# KiCad board IMXDesign.kicad_pcb (continued)
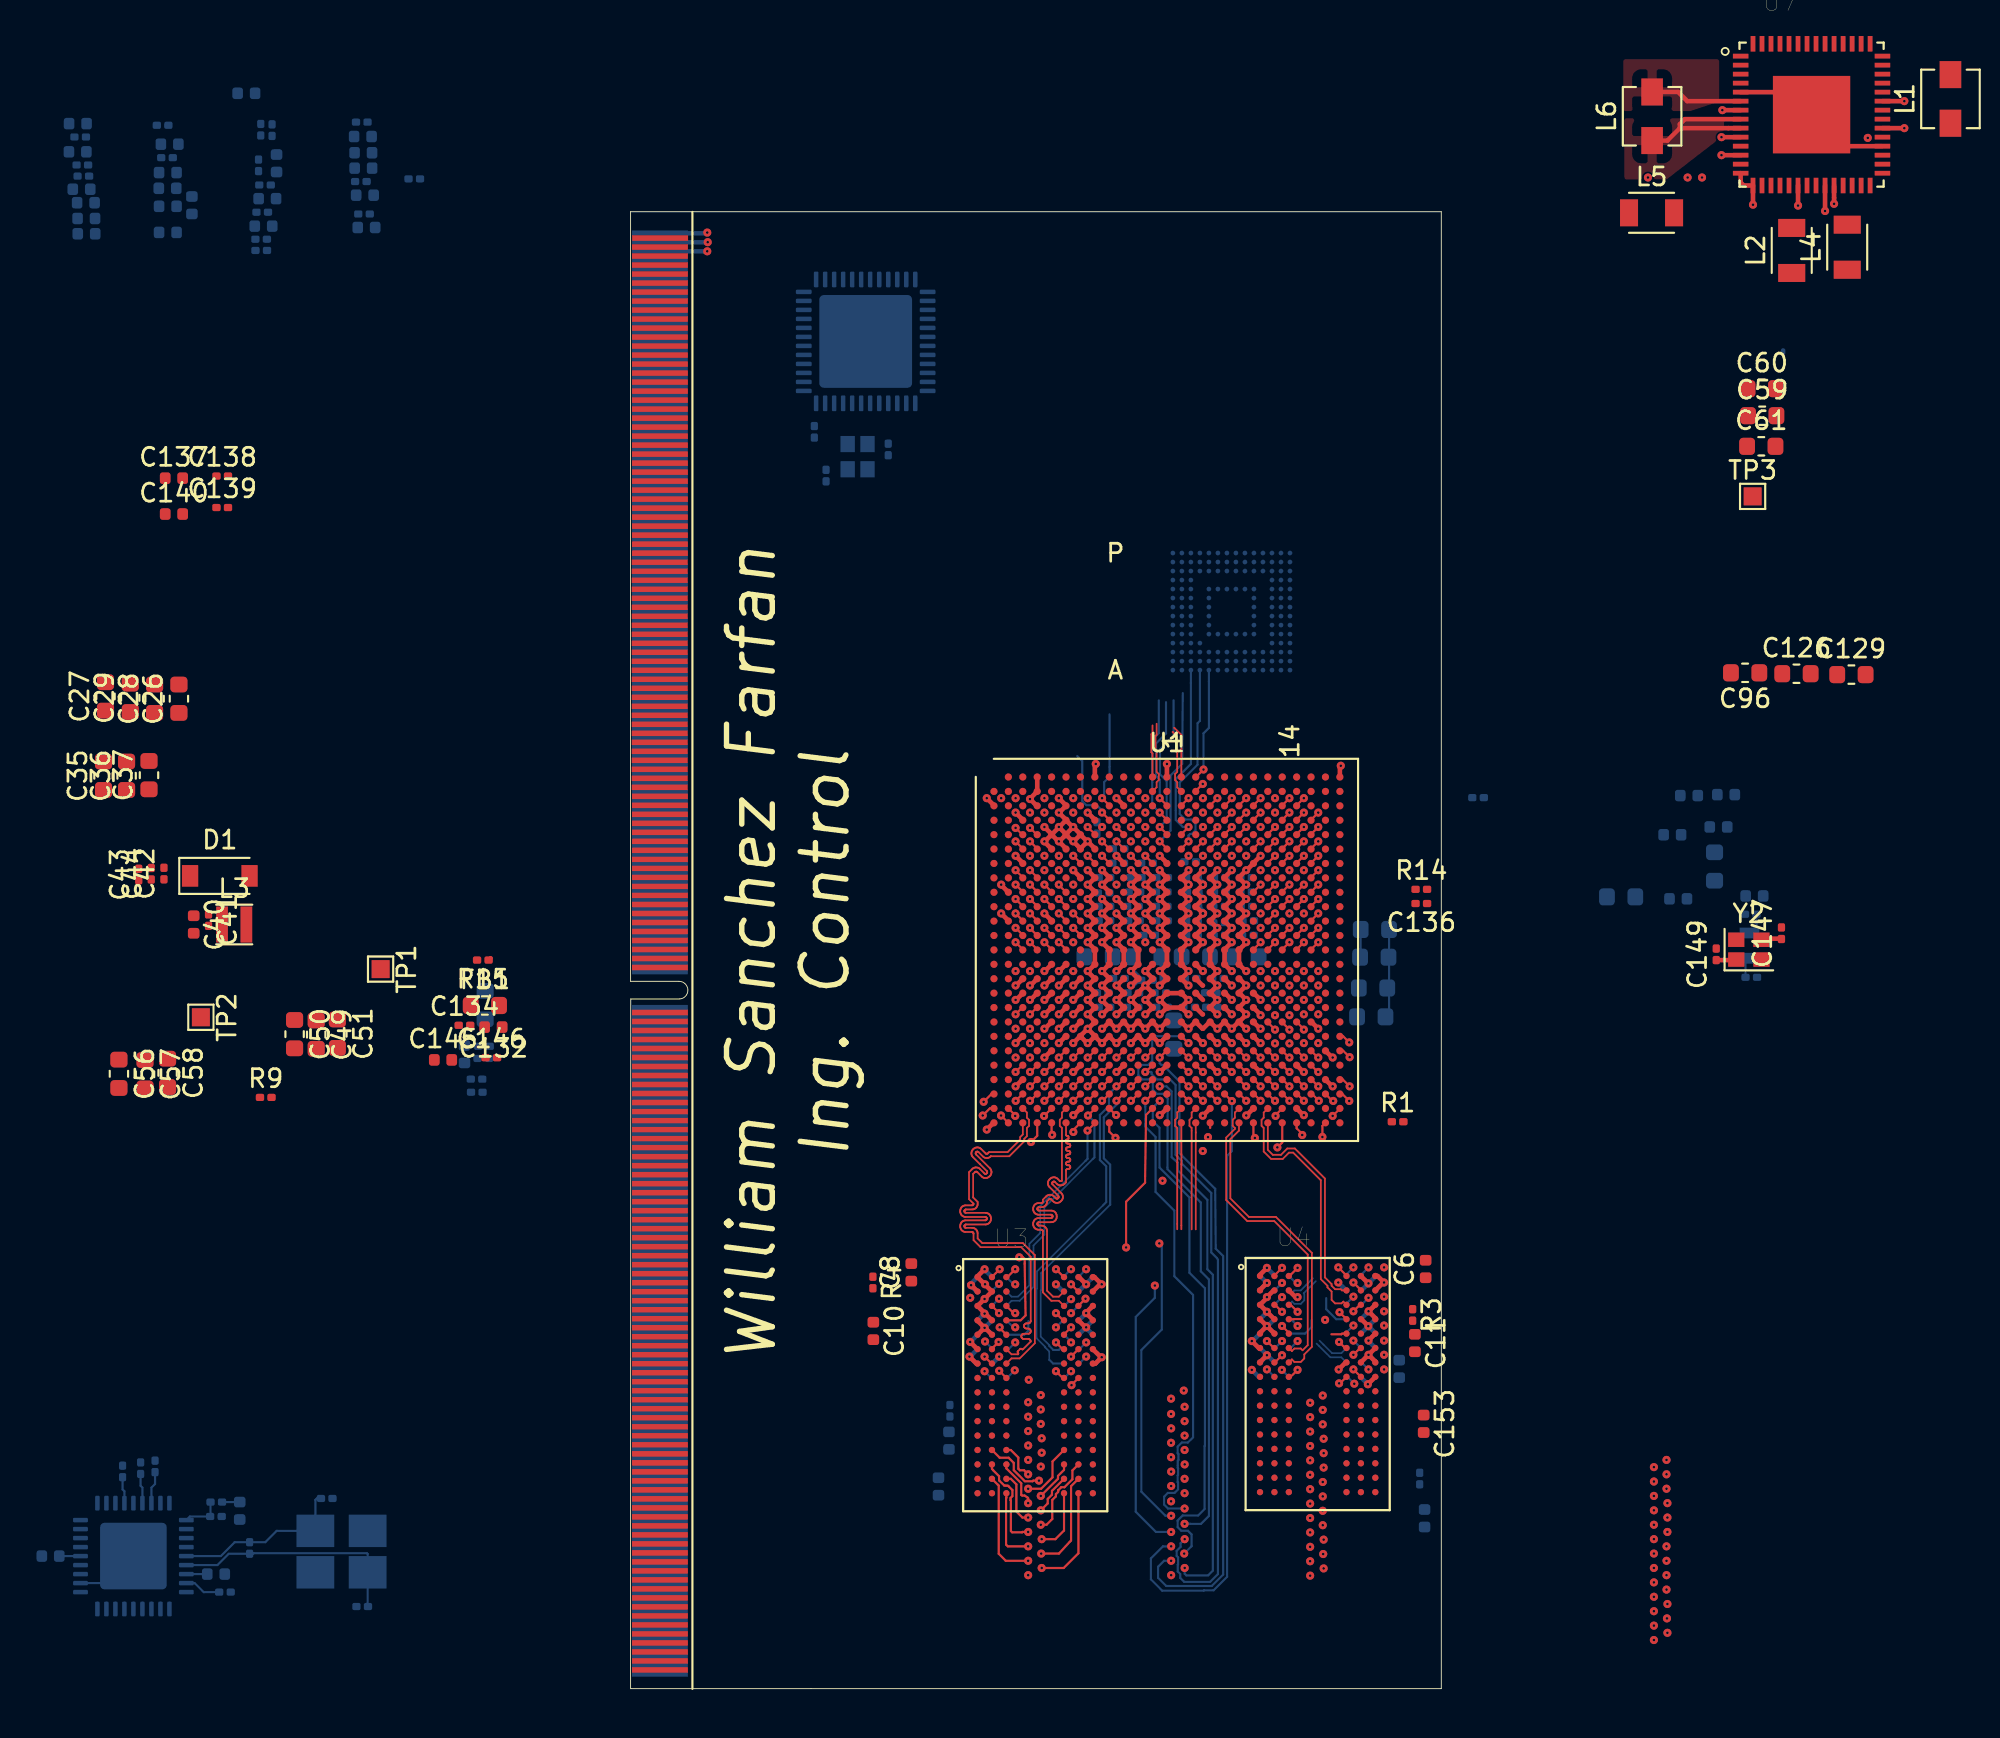
[diagram p0: board, top side]
## Routing (per net, layer and track width the routed paths; a pad name or vN(x,y) marks a point on that pad's centre or on a via; arc(x,y) is an arc through that point) (continued)
/DDR3_Memory/CPU_DDR3/DRAM_D2: length 26.1
  Top w0.114: U3.F2 20.06,18.84
  Top w0.119: v1(20.42,19.25) 20.06,18.88 U3.F2 20.02,18.85 ; v1(22.17,32.64) 22.19,32.64 U1.AC4
  In1.Cu w0.119: v1(20.42,19.25) 20.2,19.47 20.19,19.47 20.03,19.63 19.48,19.63 19.03,20.09 19.02,20.1 19.01,20.12 19.01,20.13 19.01,20.15 19.01,20.17 19.02,20.18 19.04,20.21 19.04,20.22 19.05,20.24 19.05,20.26 19.04,20.27 19.04,20.29 19.03,20.3 18.96,20.36 18.95,20.37 18.94,20.38 18.92,20.38 18.9,20.38 18.89,20.38 18.87,20.37 18.84,20.35 18.83,20.34 18.81,20.34 18.8,20.34 18.78,20.34 18.76,20.35 18.75,20.36 18.69,20.43 18.68,20.44 18.67,20.45 18.67,20.47 18.67,20.49 18.67,20.5 18.68,20.52 18.7,20.54 18.71,20.56 18.71,20.58 18.71,20.59 18.71,20.61 18.7,20.62 18.69,20.64 18.63,20.7 18.61,20.71 18.6,20.72 18.58,20.72 18.56,20.72 18.55,20.72 18.53,20.71 18.51,20.69 18.49,20.68 18.48,20.68 18.46,20.68 18.44,20.68 18.43,20.69 18.41,20.7 18.35,20.76 18.34,20.78 18.33,20.79 18.33,20.81 18.33,20.82 18.33,20.84 18.34,20.86 18.36,20.88 18.37,20.9 18.37,20.91 18.37,20.93 18.37,20.95 18.36,20.96 18.35,20.97 18.29,21.04 18.28,21.05 18.26,21.06 18.24,21.06 18.23,21.06 18.21,21.06 18.2,21.05 18.17,21.03 18.15,21.02 18.14,21.02 18.12,21.02 18.1,21.02 18.09,21.03 18.08,21.04 18.08,23.64 18.59,24.15 18.6,24.16 18.61,24.18 18.61,24.19 18.61,24.21 18.61,24.23 18.6,24.24 18.58,24.27 18.57,24.28 18.57,24.3 18.57,24.32 18.57,24.33 18.58,24.35 18.59,24.36 18.65,24.42 18.66,24.43 18.68,24.44 18.69,24.44 18.71,24.44 18.73,24.44 18.74,24.43 18.77,24.41 18.78,24.4 18.8,24.4 18.82,24.4 18.83,24.4 18.85,24.41 18.86,24.42 18.93,24.49 18.94,24.5 18.94,24.51 18.95,24.53 18.95,24.55 18.94,24.56 18.94,24.58 18.91,24.6 18.91,24.62 18.9,24.64 18.9,24.65 18.91,24.67 18.91,24.68 18.93,24.7 18.99,24.76 19,24.77 19.02,24.78 19.03,24.78 19.05,24.78 19.07,24.78 19.08,24.77 19.11,24.75 19.12,24.74 19.14,24.74 19.16,24.74 19.17,24.74 19.19,24.75 19.2,24.76 19.2,25.16 19.2,25.18 19.19,25.19 19.18,25.21 19.17,25.22 19.16,25.23 19.14,25.23 19.11,25.24 19.09,25.24 19.08,25.25 19.07,25.26 19.06,25.28 19.05,25.29 19.05,25.31 19.05,25.4 19.05,25.41 19.06,25.43 19.07,25.44 19.08,25.46 19.09,25.47 19.11,25.47 19.13,25.47 19.27,25.47 19.29,25.47 19.31,25.48 19.32,25.49 19.33,25.5 19.34,25.52 19.35,25.53 19.35,25.55 19.35,25.64 19.35,25.65 19.34,25.67 19.33,25.68 19.32,25.7 19.31,25.7 19.29,25.71 19.27,25.71 19.13,25.71 19.11,25.71 19.09,25.72 19.08,25.73 19.07,25.74 19.06,25.75 19.05,25.77 19.05,25.79 19.05,25.88 19.05,25.89 19.06,25.91 19.07,25.92 19.08,25.93 19.09,25.94 19.11,25.95 19.13,25.95 19.27,25.95 19.29,25.95 19.31,25.96 19.32,25.97 19.33,25.98 19.34,25.99 19.35,26.01 19.35,26.03 19.35,26.11 19.35,26.13 19.34,26.15 19.33,26.16 19.32,26.17 19.31,26.18 19.29,26.19 19.27,26.19 19.13,26.19 19.11,26.19 19.09,26.2 19.08,26.21 19.07,26.22 19.06,26.23 19.05,26.25 19.05,26.26 19.05,26.35 19.05,26.37 19.06,26.39 19.07,26.4 19.08,26.41 19.09,26.42 19.11,26.43 19.13,26.43 19.27,26.43 19.29,26.43 19.31,26.44 19.32,26.44 19.33,26.46 19.34,26.47 19.35,26.49 19.35,26.5 19.35,26.59 19.35,26.61 19.34,26.62 19.33,26.64 19.32,26.65 19.31,26.66 19.29,26.66 19.27,26.67 19.13,26.67 19.11,26.67 19.09,26.67 19.08,26.68 19.07,26.69 19.06,26.71 19.05,26.72 19.05,26.74 19.05,26.83 19.05,26.85 19.06,26.86 19.07,26.88 19.08,26.89 19.09,26.9 19.11,26.9 19.13,26.91 19.27,26.91 19.29,26.91 19.31,26.91 19.32,26.92 19.33,26.93 19.34,26.95 19.35,26.96 19.35,26.98 19.35,27.07 19.35,27.09 19.34,27.1 19.33,27.12 19.32,27.13 19.31,27.14 19.29,27.14 19.27,27.14 19.13,27.14 19.11,27.15 19.09,27.15 19.08,27.16 19.07,27.17 19.06,27.19 19.05,27.2 19.05,27.22 19.05,27.31 19.05,27.32 19.06,27.34 19.07,27.35 19.08,27.37 19.09,27.38 19.11,27.38 19.13,27.38 19.27,27.38 19.29,27.38 19.31,27.39 19.32,27.4 19.33,27.41 19.34,27.43 19.35,27.44 19.35,27.46 19.35,27.55 19.35,27.56 19.34,27.58 19.33,27.59 19.32,27.61 19.31,27.61 19.29,27.62 19.27,27.62 19.13,27.62 19.11,27.62 19.09,27.63 19.08,27.64 19.07,27.65 19.06,27.66 19.05,27.68 19.05,27.7 19.05,27.79 19.05,27.8 19.06,27.82 19.07,27.83 19.08,27.84 19.09,27.85 19.11,27.86 19.13,27.86 19.27,27.86 19.29,27.86 19.31,27.87 19.32,27.88 19.33,27.89 19.34,27.9 19.35,27.92 19.35,27.94 19.35,28.02 19.35,28.04 19.34,28.06 19.33,28.07 19.32,28.08 19.31,28.09 19.29,28.1 19.27,28.1 19.13,28.1 19.11,28.1 19.09,28.11 19.08,28.12 19.07,28.13 19.06,28.14 19.05,28.16 19.05,28.17 19.05,28.26 19.05,28.28 19.06,28.3 19.07,28.31 19.08,28.32 19.09,28.33 19.11,28.34 19.13,28.34 19.27,28.34 19.29,28.34 19.31,28.35 19.32,28.35 19.33,28.37 19.34,28.38 19.35,28.4 19.35,28.41 19.35,28.5 19.35,28.52 19.34,28.53 19.33,28.55 19.32,28.56 19.31,28.57 19.29,28.57 19.27,28.58 19.13,28.58 19.11,28.58 19.09,28.58 19.08,28.59 19.07,28.6 19.06,28.62 19.05,28.64 19.05,28.65 19.05,28.74 19.05,28.76 19.06,28.77 19.07,28.79 19.08,28.8 19.09,28.81 19.11,28.81 19.13,28.82 19.27,28.82 19.29,28.82 19.31,28.82 19.32,28.83 19.33,28.84 19.34,28.86 19.35,28.87 19.35,28.89 19.35,28.98 19.35,29 19.34,29.01 19.33,29.03 19.32,29.04 19.31,29.05 19.29,29.05 19.27,29.05 19.13,29.05 19.11,29.06 19.09,29.06 19.08,29.07 19.07,29.08 19.06,29.1 19.05,29.11 19.05,29.13 19.05,29.22 19.05,29.23 19.06,29.25 19.07,29.26 19.08,29.28 19.09,29.29 19.11,29.29 19.13,29.29 19.27,29.29 19.29,29.29 19.31,29.3 19.32,29.31 19.33,29.32 19.34,29.34 19.35,29.35 19.35,29.37 19.35,29.46 19.35,29.47 19.34,29.49 19.33,29.5 19.32,29.52 19.31,29.52 19.29,29.53 19.27,29.53 19.13,29.53 19.11,29.53 19.09,29.54 19.08,29.55 19.07,29.56 19.06,29.57 19.05,29.59 19.05,29.61 19.05,29.7 19.05,29.71 19.06,29.73 19.07,29.74 19.08,29.75 19.09,29.76 19.11,29.77 19.13,29.77 19.27,29.77 19.29,29.77 19.31,29.78 19.32,29.79 19.33,29.8 19.34,29.81 19.35,29.83 19.35,29.85 19.35,29.93 19.35,29.95 19.34,29.97 19.33,29.98 19.32,29.99 19.31,30 19.29,30.01 19.27,30.01 19.13,30.01 19.11,30.01 19.09,30.02 19.08,30.03 19.07,30.04 19.06,30.05 19.05,30.07 19.05,30.08 19.05,30.17 19.05,30.19 19.06,30.21 19.07,30.22 19.08,30.23 19.09,30.24 19.11,30.25 19.13,30.25 19.27,30.25 19.29,30.25 19.31,30.26 19.32,30.26 19.33,30.28 19.34,30.29 19.35,30.31 19.35,30.32 19.35,30.41 19.35,30.43 19.34,30.44 19.33,30.46 19.32,30.47 19.31,30.48 19.29,30.48 19.27,30.49 19.13,30.49 19.11,30.49 19.09,30.49 19.08,30.5 19.07,30.52 19.06,30.53 19.05,30.55 19.05,30.56 19.05,30.65 19.05,30.67 19.06,30.68 19.07,30.7 19.08,30.71 19.09,30.72 19.11,30.72 19.13,30.73 19.27,30.73 19.29,30.73 19.31,30.73 19.32,30.74 19.33,30.75 19.34,30.77 19.35,30.78 19.35,30.8 19.35,30.89 19.35,30.91 19.34,30.92 19.33,30.94 19.32,30.95 19.31,30.96 19.29,30.96 19.26,30.97 19.24,30.97 19.23,30.98 19.22,30.99 19.21,31.01 19.2,31.02 19.2,31.04 19.59,31.42 19.72,31.42 19.93,31.64 19.93,31.91 20.09,32.06 20.1,32.07 20.11,32.07 20.12,32.08 20.13,32.08 20.14,32.07 20.15,32.07 20.17,32.05 20.18,32.05 20.19,32.05 20.2,32.05 20.21,32.05 20.22,32.05 20.23,32.06 20.33,32.16 20.33,32.17 20.34,32.18 20.34,32.19 20.34,32.2 20.34,32.21 20.33,32.22 20.33,32.23 20.24,32.32 20.23,32.33 20.22,32.35 20.22,32.36 20.22,32.38 20.22,32.4 20.23,32.41 20.24,32.42 20.3,32.49 20.31,32.5 20.33,32.51 20.34,32.51 20.36,32.51 20.38,32.51 20.39,32.5 20.41,32.49 20.51,32.38 20.53,32.37 20.54,32.36 20.56,32.36 20.57,32.36 20.59,32.36 20.61,32.37 20.62,32.38 20.68,32.44 20.69,32.46 20.7,32.47 20.7,32.49 20.7,32.51 20.7,32.52 20.69,32.54 20.68,32.55 20.58,32.66 20.56,32.67 20.56,32.68 20.55,32.7 20.55,32.72 20.56,32.73 20.56,32.75 20.58,32.76 20.64,32.83 20.65,32.84 20.67,32.84 20.68,32.85 20.7,32.85 20.72,32.84 20.73,32.84 20.76,32.81 20.77,32.81 20.79,32.8 20.81,32.8 20.82,32.81 20.84,32.81 20.85,32.82 21.08,33.06 21.75,33.06 v1(22.17,32.64)
/DDR3_Memory/CPU_DDR3/DRAM_D3: length 25.9
  Top w0.114: U3.H3 v1(20.46,17.65)
  Top w0.119: U1.AA5 23,34.24 v1(22.97,34.24)
  In1.Cu w0.119: v1(22.97,34.24) 22.59,34.62 20,34.62 16.92,31.55 16.92,18.38 18.06,17.24 20.05,17.24 v1(20.46,17.65)
/DDR3_Memory/CPU_DDR3/DRAM_D4: length 26.7
  Top w0.119: v1(19.65,18.44) 20.03,18.05 U3.G2 ; v1(19.6,32.58) 20.03,33.01 U1.AC1
  In1.Cu w0.119: v1(19.6,32.58) 19.34,32.33 19.33,32.32 19.32,32.31 19.3,32.31 19.28,32.31 19.27,32.31 19.25,32.32 19.23,32.34 19.21,32.35 19.2,32.35 19.18,32.35 19.16,32.35 19.15,32.34 19.14,32.33 19.07,32.27 19.06,32.25 19.05,32.24 19.05,32.22 19.05,32.21 19.05,32.19 19.06,32.17 19.07,32.16 19.12,32.11 19.12,32.11 19.17,32.06 19.19,32.04 19.19,32.03 19.2,32.01 19.2,32 19.19,31.98 19.19,31.96 19.17,31.95 19.11,31.89 19.1,31.88 19.08,31.87 19.07,31.87 19.05,31.87 19.03,31.87 19.02,31.88 19.01,31.89 18.9,31.99 18.89,32 18.87,32.01 18.86,32.01 18.84,32.01 18.82,32.01 18.81,32 18.8,31.99 18.73,31.93 18.72,31.91 18.72,31.9 18.71,31.88 18.71,31.87 18.72,31.85 18.72,31.84 18.73,31.82 18.85,31.7 18.87,31.68 18.88,31.66 18.88,31.64 18.88,31.62 18.88,31.6 18.87,31.58 18.85,31.56 18.83,31.53 18.81,31.52 18.79,31.51 18.77,31.5 18.74,31.5 18.72,31.51 18.7,31.52 18.69,31.53 18.56,31.65 18.55,31.66 18.54,31.67 18.52,31.68 18.5,31.68 18.49,31.67 18.47,31.66 18.46,31.65 18.4,31.59 18.38,31.58 18.38,31.56 18.37,31.55 18.37,31.53 18.38,31.51 18.38,31.5 18.4,31.49 18.52,31.36 18.53,31.35 18.54,31.33 18.55,31.3 18.55,31.28 18.54,31.26 18.53,31.24 18.52,31.22 18.49,31.19 18.47,31.18 18.45,31.17 18.43,31.17 18.41,31.17 18.39,31.17 18.37,31.18 18.35,31.19 18.23,31.32 18.21,31.33 18.2,31.33 18.18,31.34 18.17,31.34 18.15,31.33 18.13,31.33 18.12,31.32 18.06,31.25 18.05,31.24 18.04,31.22 18.04,31.21 18.04,31.19 18.04,31.18 18.05,31.16 18.07,31.13 18.07,31.12 18.08,31.1 18.08,31.09 18.07,31.07 18.07,31.06 18.06,31.04 17.9,30.89 17.9,30.69 17.9,30.66 17.89,30.64 17.88,30.62 17.86,30.61 17.84,30.6 17.82,30.59 17.78,30.58 17.76,30.58 17.74,30.57 17.72,30.55 17.71,30.53 17.7,30.51 17.7,30.49 17.7,30.45 17.7,30.43 17.71,30.4 17.72,30.39 17.74,30.37 17.76,30.36 17.78,30.35 17.8,30.35 17.9,30.35 18,30.35 18.02,30.34 18.04,30.34 18.06,30.33 18.08,30.31 18.09,30.29 18.1,30.27 18.1,30.25 18.1,30.21 18.1,30.19 18.09,30.16 18.08,30.15 18.06,30.13 18.04,30.12 18.02,30.11 18,30.11 17.8,30.11 17.78,30.11 17.76,30.1 17.74,30.09 17.72,30.07 17.71,30.05 17.7,30.03 17.7,30.01 17.7,29.97 17.7,29.95 17.71,29.93 17.72,29.91 17.74,29.89 17.76,29.88 17.78,29.87 17.8,29.87 18,29.87 18.02,29.87 18.04,29.86 18.06,29.85 18.08,29.83 18.09,29.81 18.1,29.79 18.1,29.77 18.1,29.73 18.1,29.71 18.09,29.69 18.08,29.67 18.06,29.65 18.04,29.64 18.02,29.63 18,29.63 17.8,29.63 17.78,29.63 17.76,29.62 17.74,29.61 17.72,29.59 17.71,29.58 17.7,29.55 17.7,29.53 17.7,29.49 17.7,29.47 17.71,29.45 17.72,29.43 17.74,29.41 17.76,29.4 17.78,29.39 17.8,29.39 18,29.39 18.02,29.39 18.04,29.38 18.06,29.37 18.08,29.35 18.09,29.34 18.1,29.32 18.1,29.29 18.1,29.25 18.1,29.23 18.09,29.21 18.08,29.19 18.06,29.18 18.04,29.16 18.02,29.16 18,29.15 17.8,29.15 17.78,29.15 17.76,29.14 17.74,29.13 17.72,29.12 17.71,29.1 17.7,29.08 17.7,29.05 17.7,29.01 17.7,28.99 17.71,28.97 17.72,28.95 17.74,28.94 17.76,28.92 17.78,28.92 17.8,28.91 18,28.91 18.02,28.91 18.04,28.9 18.06,28.89 18.08,28.88 18.09,28.86 18.1,28.84 18.1,28.82 18.1,28.77 18.1,28.75 18.09,28.73 18.08,28.71 18.06,28.7 18.04,28.69 18.02,28.68 18,28.68 17.8,28.68 17.78,28.67 17.76,28.67 17.74,28.65 17.72,28.64 17.71,28.62 17.7,28.6 17.7,28.58 17.7,28.54 17.7,28.51 17.71,28.49 17.72,28.47 17.74,28.46 17.76,28.45 17.78,28.44 17.8,28.44 18,28.44 18.02,28.43 18.04,28.43 18.06,28.42 18.08,28.4 18.09,28.38 18.1,28.36 18.1,28.34 18.1,28.3 18.1,28.28 18.09,28.25 18.08,28.24 18.06,28.22 18.04,28.21 18.02,28.2 18,28.2 17.8,28.2 17.78,28.2 17.76,28.19 17.74,28.18 17.72,28.16 17.71,28.14 17.7,28.12 17.7,28.1 17.7,28.06 17.7,28.04 17.71,28.02 17.72,28 17.74,27.98 17.76,27.97 17.78,27.96 17.8,27.96 18,27.96 18.02,27.96 18.04,27.95 18.06,27.94 18.08,27.92 18.09,27.9 18.1,27.88 18.1,27.86 18.1,27.82 18.1,27.8 18.09,27.78 18.08,27.76 18.06,27.74 18.04,27.73 18.02,27.72 18,27.72 17.8,27.72 17.78,27.72 17.76,27.71 17.74,27.7 17.72,27.68 17.71,27.66 17.7,27.64 17.7,27.62 17.7,27.58 17.7,27.56 17.71,27.54 17.72,27.52 17.74,27.5 17.76,27.49 17.78,27.48 17.8,27.48 18,27.48 18.02,27.48 18.04,27.47 18.06,27.46 18.08,27.44 18.09,27.43 18.1,27.41 18.1,27.38 18.1,27.34 18.1,27.32 18.09,27.3 18.08,27.28 18.06,27.26 18.04,27.25 18.02,27.25 18,27.24 17.8,27.24 17.78,27.24 17.76,27.23 17.74,27.22 17.72,27.21 17.71,27.19 17.7,27.17 17.7,27.14 17.7,27.1 17.7,27.08 17.71,27.06 17.72,27.04 17.74,27.03 17.76,27.01 17.78,27.01 17.8,27 18,27 18.02,27 18.04,26.99 18.06,26.98 18.08,26.97 18.09,26.95 18.1,26.93 18.1,26.91 18.1,26.86 18.1,26.84 18.09,26.82 18.08,26.8 18.06,26.79 18.04,26.78 18.02,26.77 18,26.77 17.8,26.77 17.78,26.76 17.76,26.76 17.74,26.74 17.72,26.73 17.71,26.71 17.7,26.69 17.7,26.67 17.7,26.63 17.7,26.6 17.71,26.58 17.72,26.56 17.74,26.55 17.76,26.54 17.78,26.53 17.8,26.53 18,26.53 18.02,26.52 18.04,26.52 18.06,26.51 18.08,26.49 18.09,26.47 18.1,26.45 18.1,26.43 18.1,26.39 18.1,26.37 18.09,26.34 18.08,26.33 18.06,26.31 18.04,26.3 18.02,26.29 18,26.29 17.8,26.29 17.78,26.29 17.76,26.28 17.74,26.27 17.72,26.25 17.71,26.23 17.7,26.21 17.7,26.19 17.7,26.15 17.7,26.13 17.71,26.11 17.72,26.09 17.74,26.07 17.76,26.06 17.78,26.05 17.8,26.05 18,26.05 18.02,26.05 18.04,26.04 18.06,26.03 18.08,26.01 18.09,25.99 18.1,25.97 18.1,25.95 18.1,25.91 18.1,25.89 18.09,25.87 18.08,25.85 18.06,25.83 18.04,25.82 18.02,25.81 18,25.81 17.8,25.81 17.78,25.81 17.76,25.8 17.74,25.79 17.72,25.77 17.71,25.75 17.7,25.73 17.7,25.71 17.7,25.67 17.7,25.65 17.71,25.63 17.72,25.61 17.74,25.59 17.76,25.58 17.78,25.57 17.8,25.57 18,25.57 18.02,25.57 18.04,25.56 18.06,25.55 18.08,25.53 18.09,25.52 18.1,25.5 18.1,25.47 18.1,25.43 18.1,25.41 18.09,25.39 18.08,25.37 18.06,25.35 18.04,25.34 18.02,25.34 17.98,25.33 17.96,25.32 17.94,25.31 17.92,25.3 17.91,25.28 17.9,25.26 17.9,25.23 17.9,24.89 17.64,24.63 17.64,20.73 17.64,20.7 17.65,20.68 17.66,20.66 17.67,20.65 17.69,20.64 17.71,20.63 17.76,20.63 17.78,20.62 17.8,20.61 17.81,20.59 17.83,20.57 17.83,20.55 17.84,20.53 17.84,20.49 17.83,20.47 17.83,20.44 17.81,20.43 17.8,20.41 17.78,20.4 17.76,20.39 17.71,20.39 17.69,20.38 17.67,20.37 17.66,20.35 17.65,20.33 17.64,20.31 17.64,20.29 17.64,19.89 17.67,19.86 17.69,19.84 17.7,19.82 17.7,19.8 17.7,19.78 17.7,19.76 17.69,19.74 17.66,19.7 17.65,19.68 17.64,19.66 17.64,19.64 17.65,19.62 17.66,19.6 17.67,19.58 17.7,19.55 17.72,19.54 17.74,19.53 17.76,19.52 17.78,19.52 17.8,19.53 17.82,19.54 17.84,19.55 17.91,19.62 17.98,19.69 18,19.7 18.02,19.71 18.04,19.72 18.06,19.72 18.09,19.71 18.11,19.7 18.12,19.69 18.15,19.66 18.17,19.64 18.17,19.62 18.18,19.6 18.18,19.58 18.17,19.56 18.17,19.54 18.14,19.5 18.13,19.48 18.12,19.46 18.12,19.44 18.13,19.42 18.14,19.4 18.15,19.38 18.71,18.82 19.23,18.82 19.61,18.44 v1(19.65,18.44) 19.65,18.45
/DDR3_Memory/CPU_DDR3/DRAM_D5: length 26.1
  Top w0.114: U3.H8 24.82,17.25
  Top w0.119: v1(24.47,16.85) 24.47,16.87 U3.H8 ; v1(19.55,31.82) 19.94,32.22 U1.AD1
  In1.Cu w0.119: v1(24.47,16.85) 24.25,17.07 24.25,17.25 24.02,17.48 24.02,17.8 24.02,17.82 24.02,17.85 24.02,17.88 24.03,17.9 24.05,17.92 24.09,17.96 24.11,17.99 24.12,18.01 24.13,18.04 24.13,18.06 24.12,18.09 24.11,18.11 24.09,18.13 24.07,18.15 24.05,18.16 24.02,18.17 24,18.17 23.97,18.16 23.95,18.15 23.92,18.13 23.88,18.09 23.86,18.07 23.84,18.06 23.81,18.06 23.78,18.06 23.76,18.06 23.73,18.07 23.71,18.09 23.53,18.28 23.38,18.28 23.35,18.28 23.32,18.29 23.3,18.3 23.28,18.32 23.27,18.34 23.26,18.37 23.26,18.4 23.26,18.46 23.25,18.48 23.24,18.51 23.23,18.53 23.21,18.55 23.19,18.56 23.16,18.57 23.14,18.58 23.11,18.57 23.09,18.56 23.06,18.55 23.04,18.53 23.03,18.51 23.02,18.48 23.02,18.46 23.02,18.1 23.01,18.07 23.01,18.04 22.99,18.02 22.97,18 22.95,17.99 22.92,17.98 22.9,17.98 22.87,17.98 22.85,17.99 22.82,18 22.8,18.02 22.79,18.04 22.78,18.07 22.78,18.1 22.78,18.46 22.78,18.48 22.77,18.51 22.75,18.53 22.73,18.55 22.71,18.56 22.69,18.57 22.66,18.58 22.63,18.57 22.61,18.56 22.58,18.55 22.57,18.53 22.55,18.51 22.54,18.48 22.54,18.46 22.54,18.1 22.54,18.07 22.53,18.04 22.51,18.02 22.5,18 22.47,17.99 22.45,17.98 22.42,17.98 22.39,17.98 22.37,17.99 22.35,18 22.33,18.02 22.31,18.04 22.3,18.07 22.3,18.1 22.3,18.46 22.3,18.48 22.29,18.51 22.28,18.53 22.26,18.55 22.23,18.56 22.21,18.57 22.18,18.58 22.16,18.57 22.13,18.56 22.11,18.55 22.09,18.53 22.07,18.51 22.07,18.48 22.06,18.46 22.06,18.15 22.06,18.12 22.05,18.09 22.04,18.07 22.02,18.05 21.99,18.04 21.97,18.03 21.94,18.03 21.92,18.03 21.89,18.04 21.87,18.05 21.85,18.07 21.84,18.09 21.83,18.12 21.82,18.15 21.82,18.16 21.82,18.18 21.81,18.21 21.8,18.23 21.78,18.25 21.76,18.26 21.73,18.27 21.7,18.28 21.42,18.28 21.35,18.35 21.32,18.36 21.3,18.38 21.27,18.38 21.25,18.38 21.22,18.38 21.2,18.36 21.18,18.35 21.17,18.34 21.15,18.32 21.12,18.31 21.1,18.31 21.07,18.31 21.05,18.31 21.02,18.32 21,18.34 20.98,18.36 20.97,18.38 20.97,18.41 20.97,18.44 20.97,18.46 20.98,18.49 21,18.51 21.01,18.52 21.02,18.54 21.04,18.56 21.04,18.59 21.04,18.61 21.04,18.64 21.02,18.66 21.01,18.69 20.83,18.87 20.33,18.87 20.32,18.86 20.31,18.86 20.3,18.85 20.29,18.85 20.28,18.84 20.28,18.83 20.28,18.8 20.27,18.79 20.27,18.78 20.26,18.78 20.25,18.77 20.24,18.77 20.23,18.77 20.09,18.77 20.08,18.77 20.07,18.77 20.06,18.78 20.05,18.78 20.04,18.79 20.04,18.8 20.04,18.83 20.03,18.84 20.03,18.85 20.02,18.85 20.01,18.86 20,18.86 19.99,18.87 19.49,18.87 19.29,19.07 19.29,19.43 19.08,19.65 19.07,19.65 19.06,19.66 19.05,19.66 19.04,19.66 19.03,19.66 19.02,19.65 19,19.64 18.99,19.63 18.98,19.63 18.97,19.63 18.96,19.63 18.95,19.64 18.94,19.65 18.84,19.74 18.83,19.75 18.83,19.76 18.82,19.77 18.82,19.79 18.83,19.8 18.83,19.81 18.85,19.82 18.85,19.83 18.85,19.85 18.85,19.86 18.85,19.87 18.85,19.88 18.84,19.89 18.74,19.98 18.72,20 18.7,20.01 18.67,20.02 18.64,20.02 18.62,20.01 18.59,20 18.57,19.98 18.53,19.94 18.51,19.92 18.48,19.91 18.46,19.91 18.43,19.91 18.4,19.91 18.38,19.92 18.36,19.94 18.34,19.96 18.33,19.99 18.33,20.01 18.33,20.04 18.33,20.07 18.34,20.09 18.36,20.11 18.4,20.15 18.42,20.17 18.43,20.2 18.44,20.22 18.44,20.25 18.43,20.28 18.42,20.3 18.4,20.32 18.39,20.34 18.37,20.35 18.34,20.35 18.32,20.35 18.3,20.35 18.28,20.34 18.24,20.31 18.22,20.3 18.2,20.29 18.18,20.29 18.16,20.3 18.14,20.31 18.12,20.32 18.09,20.35 18.08,20.37 18.07,20.39 18.06,20.41 18.06,20.43 18.07,20.45 18.08,20.47 18.11,20.51 18.12,20.53 18.12,20.55 18.12,20.57 18.12,20.59 18.11,20.61 18.09,20.63 17.86,20.87 17.86,24.41 18.55,25.1 18.55,30.7 19.32,31.47 19.32,31.6 v1(19.55,31.82)
/DDR3_Memory/CPU_DDR3/DRAM_D6: length 26
  Top w0.119: v1(22.17,33.44) 22.19,33.44 U1.AB4 ; v1(23.61,17.62) 23.98,17.25 U3.H7
  In1.Cu w0.119: v1(23.61,17.62) 21.94,17.62 21.51,18.06 20.65,18.06 20.64,18.05 18.4,18.05 17.4,19.05 17.39,30.94 20.27,33.82 21.79,33.82 v1(22.17,33.44)
/DDR3_Memory/CPU_DDR3/DRAM_D7: length 26.1
  Top w0.119: v1(22.22,30.35) 22.57,30.69 U1.AE4 ; U3.F7 23.98,18.85 v1(23.61,19.22)
  In1.Cu w0.119: v1(23.61,19.22) 23.23,19.61 23.21,19.61 23.2,19.6 23.19,19.6 23.19,19.59 23.18,19.58 23.18,19.57 23.17,19.55 23.17,19.54 23.16,19.53 23.16,19.52 23.15,19.51 23.14,19.51 23.13,19.51 22.99,19.51 22.98,19.51 22.97,19.51 22.96,19.52 22.95,19.53 22.94,19.54 22.94,19.55 22.94,19.56 22.94,19.73 22.93,19.76 22.93,19.79 22.91,19.81 22.89,19.83 22.87,19.84 22.84,19.85 22.82,19.85 22.79,19.85 22.77,19.84 22.74,19.83 22.72,19.81 22.71,19.79 22.7,19.76 22.7,19.73 22.7,19.73 22.7,19.7 22.69,19.68 22.67,19.65 22.65,19.63 22.63,19.62 22.61,19.61 22.58,19.61 22.55,19.61 22.53,19.62 22.5,19.63 22.49,19.65 22.47,19.68 22.46,19.7 22.46,19.73 22.46,19.73 22.46,19.76 22.45,19.79 22.43,19.81 22.41,19.83 22.39,19.84 22.37,19.85 22.34,19.85 22.31,19.85 22.29,19.84 22.27,19.83 22.25,19.81 22.23,19.79 22.22,19.76 22.22,19.73 22.22,19.73 22.22,19.7 22.21,19.68 22.19,19.65 22.18,19.63 22.15,19.62 22.13,19.61 22.07,19.6 22.05,19.6 22.03,19.58 22.01,19.56 21.99,19.54 21.98,19.51 21.98,19.49 21.98,19.48 21.98,19.46 21.97,19.43 21.96,19.41 21.94,19.39 21.91,19.37 21.89,19.37 21.86,19.36 21.84,19.37 21.81,19.37 21.79,19.39 21.77,19.41 21.75,19.43 21.75,19.46 21.74,19.48 21.74,19.66 21.74,19.67 21.74,19.68 21.73,19.69 21.72,19.7 21.71,19.7 21.7,19.71 21.69,19.71 21.55,19.71 21.54,19.71 21.53,19.7 21.52,19.7 21.52,19.69 21.51,19.68 21.51,19.67 21.5,19.65 21.5,19.64 21.49,19.63 21.49,19.62 21.48,19.61 21.47,19.61 21.45,19.61 21.23,19.61 20.87,19.97 20.87,20.07 20.87,20.08 20.88,20.09 20.88,20.1 20.89,20.11 20.9,20.12 20.91,20.12 20.93,20.12 20.94,20.13 20.95,20.13 20.96,20.14 20.97,20.15 20.97,20.16 20.97,20.17 20.97,20.31 20.97,20.32 20.97,20.33 20.96,20.34 20.95,20.35 20.94,20.35 20.93,20.36 20.92,20.36 20.8,20.36 20.78,20.36 20.77,20.37 20.75,20.38 20.74,20.39 20.73,20.4 20.73,20.42 20.73,20.43 20.73,20.53 20.73,20.54 20.73,20.56 20.74,20.57 20.75,20.58 20.77,20.59 20.78,20.6 20.81,20.6 20.83,20.61 20.84,20.61 20.86,20.63 20.86,20.64 20.87,20.65 20.87,20.67 20.87,21.03 20.63,21.27 20.27,21.27 20.07,21.47 20.07,21.82 20.06,21.84 20.06,21.86 20.04,21.88 20.03,21.89 20.01,21.9 19.99,21.91 19.95,21.92 19.93,21.92 19.91,21.93 19.89,21.95 19.88,21.97 19.87,21.99 19.87,22.01 19.87,22.05 19.87,22.08 19.88,22.1 19.89,22.11 19.91,22.13 19.93,22.14 19.95,22.15 19.99,22.15 20.01,22.16 20.03,22.17 20.04,22.19 20.06,22.21 20.06,22.23 20.07,22.25 20.07,22.66 20.27,22.86 20.63,22.86 20.87,23.1 20.87,23.87 20.88,23.88 20.9,23.89 20.91,23.89 20.93,23.89 20.95,23.89 20.96,23.88 20.99,23.86 21,23.85 21.02,23.85 21.03,23.85 21.05,23.85 21.06,23.86 21.08,23.87 21.14,23.94 21.15,23.95 21.16,23.96 21.16,23.98 21.16,24 21.16,24.01 21.15,24.03 21.14,24.04 21.09,24.09 21,24.18 20.99,24.2 20.98,24.23 20.97,24.25 20.97,24.28 20.98,24.31 20.99,24.33 21,24.35 21.02,24.37 21.05,24.38 21.07,24.38 21.1,24.38 21.13,24.38 21.15,24.37 21.17,24.35 21.18,24.35 21.2,24.33 21.22,24.32 21.25,24.31 21.27,24.31 21.3,24.32 21.33,24.33 21.35,24.35 21.45,24.45 21.45,24.7 21.45,24.73 21.46,24.75 21.48,24.77 21.49,24.79 21.52,24.81 21.54,24.82 21.57,24.82 21.58,24.82 21.6,24.82 21.63,24.83 21.65,24.85 21.67,24.86 21.68,24.89 21.69,24.91 21.7,24.94 21.69,24.97 21.68,24.99 21.67,25.01 21.65,25.03 21.63,25.05 21.6,25.06 21.58,25.06 21.32,25.06 21.3,25.06 21.27,25.07 21.25,25.08 21.23,25.1 21.22,25.13 21.21,25.15 21.2,25.18 21.21,25.2 21.22,25.23 21.23,25.25 21.25,25.27 21.27,25.29 21.3,25.29 21.32,25.3 21.58,25.3 21.6,25.3 21.63,25.31 21.65,25.32 21.67,25.34 21.68,25.36 21.69,25.39 21.7,25.42 21.69,25.44 21.68,25.47 21.67,25.49 21.65,25.51 21.63,25.52 21.6,25.53 21.58,25.54 21.32,25.54 21.3,25.54 21.27,25.55 21.25,25.56 21.23,25.58 21.22,25.6 21.21,25.63 21.2,25.66 21.21,25.68 21.22,25.71 21.23,25.73 21.25,25.75 21.27,25.76 21.3,25.77 21.32,25.77 21.58,25.77 21.6,25.78 21.63,25.79 21.65,25.8 21.67,25.82 21.68,25.84 21.69,25.87 21.7,25.89 21.69,25.92 21.68,25.95 21.67,25.97 21.65,25.99 21.63,26 21.6,26.01 21.58,26.01 21.32,26.01 21.3,26.02 21.27,26.03 21.25,26.04 21.23,26.06 21.22,26.08 21.21,26.11 21.2,26.13 21.21,26.16 21.22,26.18 21.23,26.21 21.25,26.23 21.27,26.24 21.3,26.25 21.32,26.25 21.58,26.25 21.6,26.25 21.63,26.26 21.65,26.28 21.67,26.3 21.68,26.32 21.69,26.34 21.7,26.37 21.69,26.4 21.68,26.42 21.67,26.45 21.65,26.46 21.63,26.48 21.6,26.49 21.58,26.49 21.32,26.49 21.3,26.49 21.27,26.5 21.25,26.52 21.23,26.54 21.22,26.56 21.21,26.58 21.2,26.61 21.21,26.64 21.22,26.66 21.23,26.68 21.25,26.7 21.27,26.72 21.3,26.73 21.32,26.73 21.58,26.73 21.6,26.73 21.63,26.74 21.65,26.76 21.67,26.77 21.68,26.8 21.69,26.82 21.7,26.85 21.69,26.88 21.68,26.9 21.67,26.92 21.65,26.94 21.63,26.96 21.6,26.97 21.58,26.97 21.32,26.97 21.3,26.97 21.27,26.98 21.25,26.99 21.23,27.01 21.22,27.04 21.21,27.06 21.2,27.09 21.21,27.11 21.22,27.14 21.23,27.16 21.25,27.18 21.27,27.2 21.3,27.2 21.32,27.21 21.58,27.21 21.6,27.21 21.63,27.22 21.65,27.23 21.67,27.25 21.68,27.27 21.69,27.3 21.7,27.33 21.69,27.35 21.68,27.38 21.67,27.4 21.65,27.42 21.63,27.43 21.6,27.44 21.58,27.45 21.32,27.45 21.3,27.45 21.27,27.46 21.25,27.47 21.23,27.49 21.22,27.51 21.21,27.54 21.2,27.57 21.21,27.59 21.22,27.62 21.23,27.64 21.25,27.66 21.27,27.67 21.3,27.68 21.32,27.68 21.58,27.68 21.6,27.69 21.63,27.7 21.65,27.71 21.67,27.73 21.68,27.75 21.69,27.78 21.7,27.8 21.69,27.83 21.68,27.86 21.67,27.88 21.65,27.9 21.63,27.91 21.6,27.92 21.58,27.92 21.32,27.92 21.3,27.93 21.27,27.94 21.25,27.95 21.23,27.97 21.22,27.99 21.21,28.02 21.2,28.04 21.21,28.07 21.22,28.09 21.23,28.12 21.25,28.14 21.27,28.15 21.3,28.16 21.32,28.16 21.58,28.16 21.6,28.17 21.63,28.17 21.65,28.19 21.67,28.21 21.68,28.23 21.69,28.25 21.7,28.28 21.69,28.31 21.68,28.33 21.67,28.36 21.65,28.37 21.63,28.39 21.6,28.4 21.58,28.4 21.32,28.4 21.3,28.4 21.27,28.41 21.25,28.43 21.23,28.45 21.22,28.47 21.21,28.49 21.2,28.52 21.21,28.55 21.22,28.57 21.23,28.59 21.25,28.61 21.27,28.63 21.3,28.64 21.32,28.64 21.58,28.64 21.6,28.64 21.63,28.65 21.65,28.67 21.67,28.68 21.68,28.71 21.69,28.73 21.7,28.76 21.69,28.79 21.68,28.81 21.67,28.83 21.65,28.85 21.63,28.87 21.6,28.88 21.58,28.88 21.32,28.88 21.3,28.88 21.27,28.89 21.25,28.9 21.23,28.92 21.22,28.95 21.21,28.97 21.2,29 21.21,29.02 21.22,29.05 21.23,29.07 21.25,29.09 21.27,29.11 21.3,29.11 21.32,29.12 21.33,29.12 21.36,29.12 21.38,29.13 21.41,29.14 21.42,29.16 21.44,29.18 21.45,29.21 21.45,29.24 21.45,29.57 v1(22.22,30.35)